# Altium PCB PCB.PcbDoc (part 2 of 4) (continued)
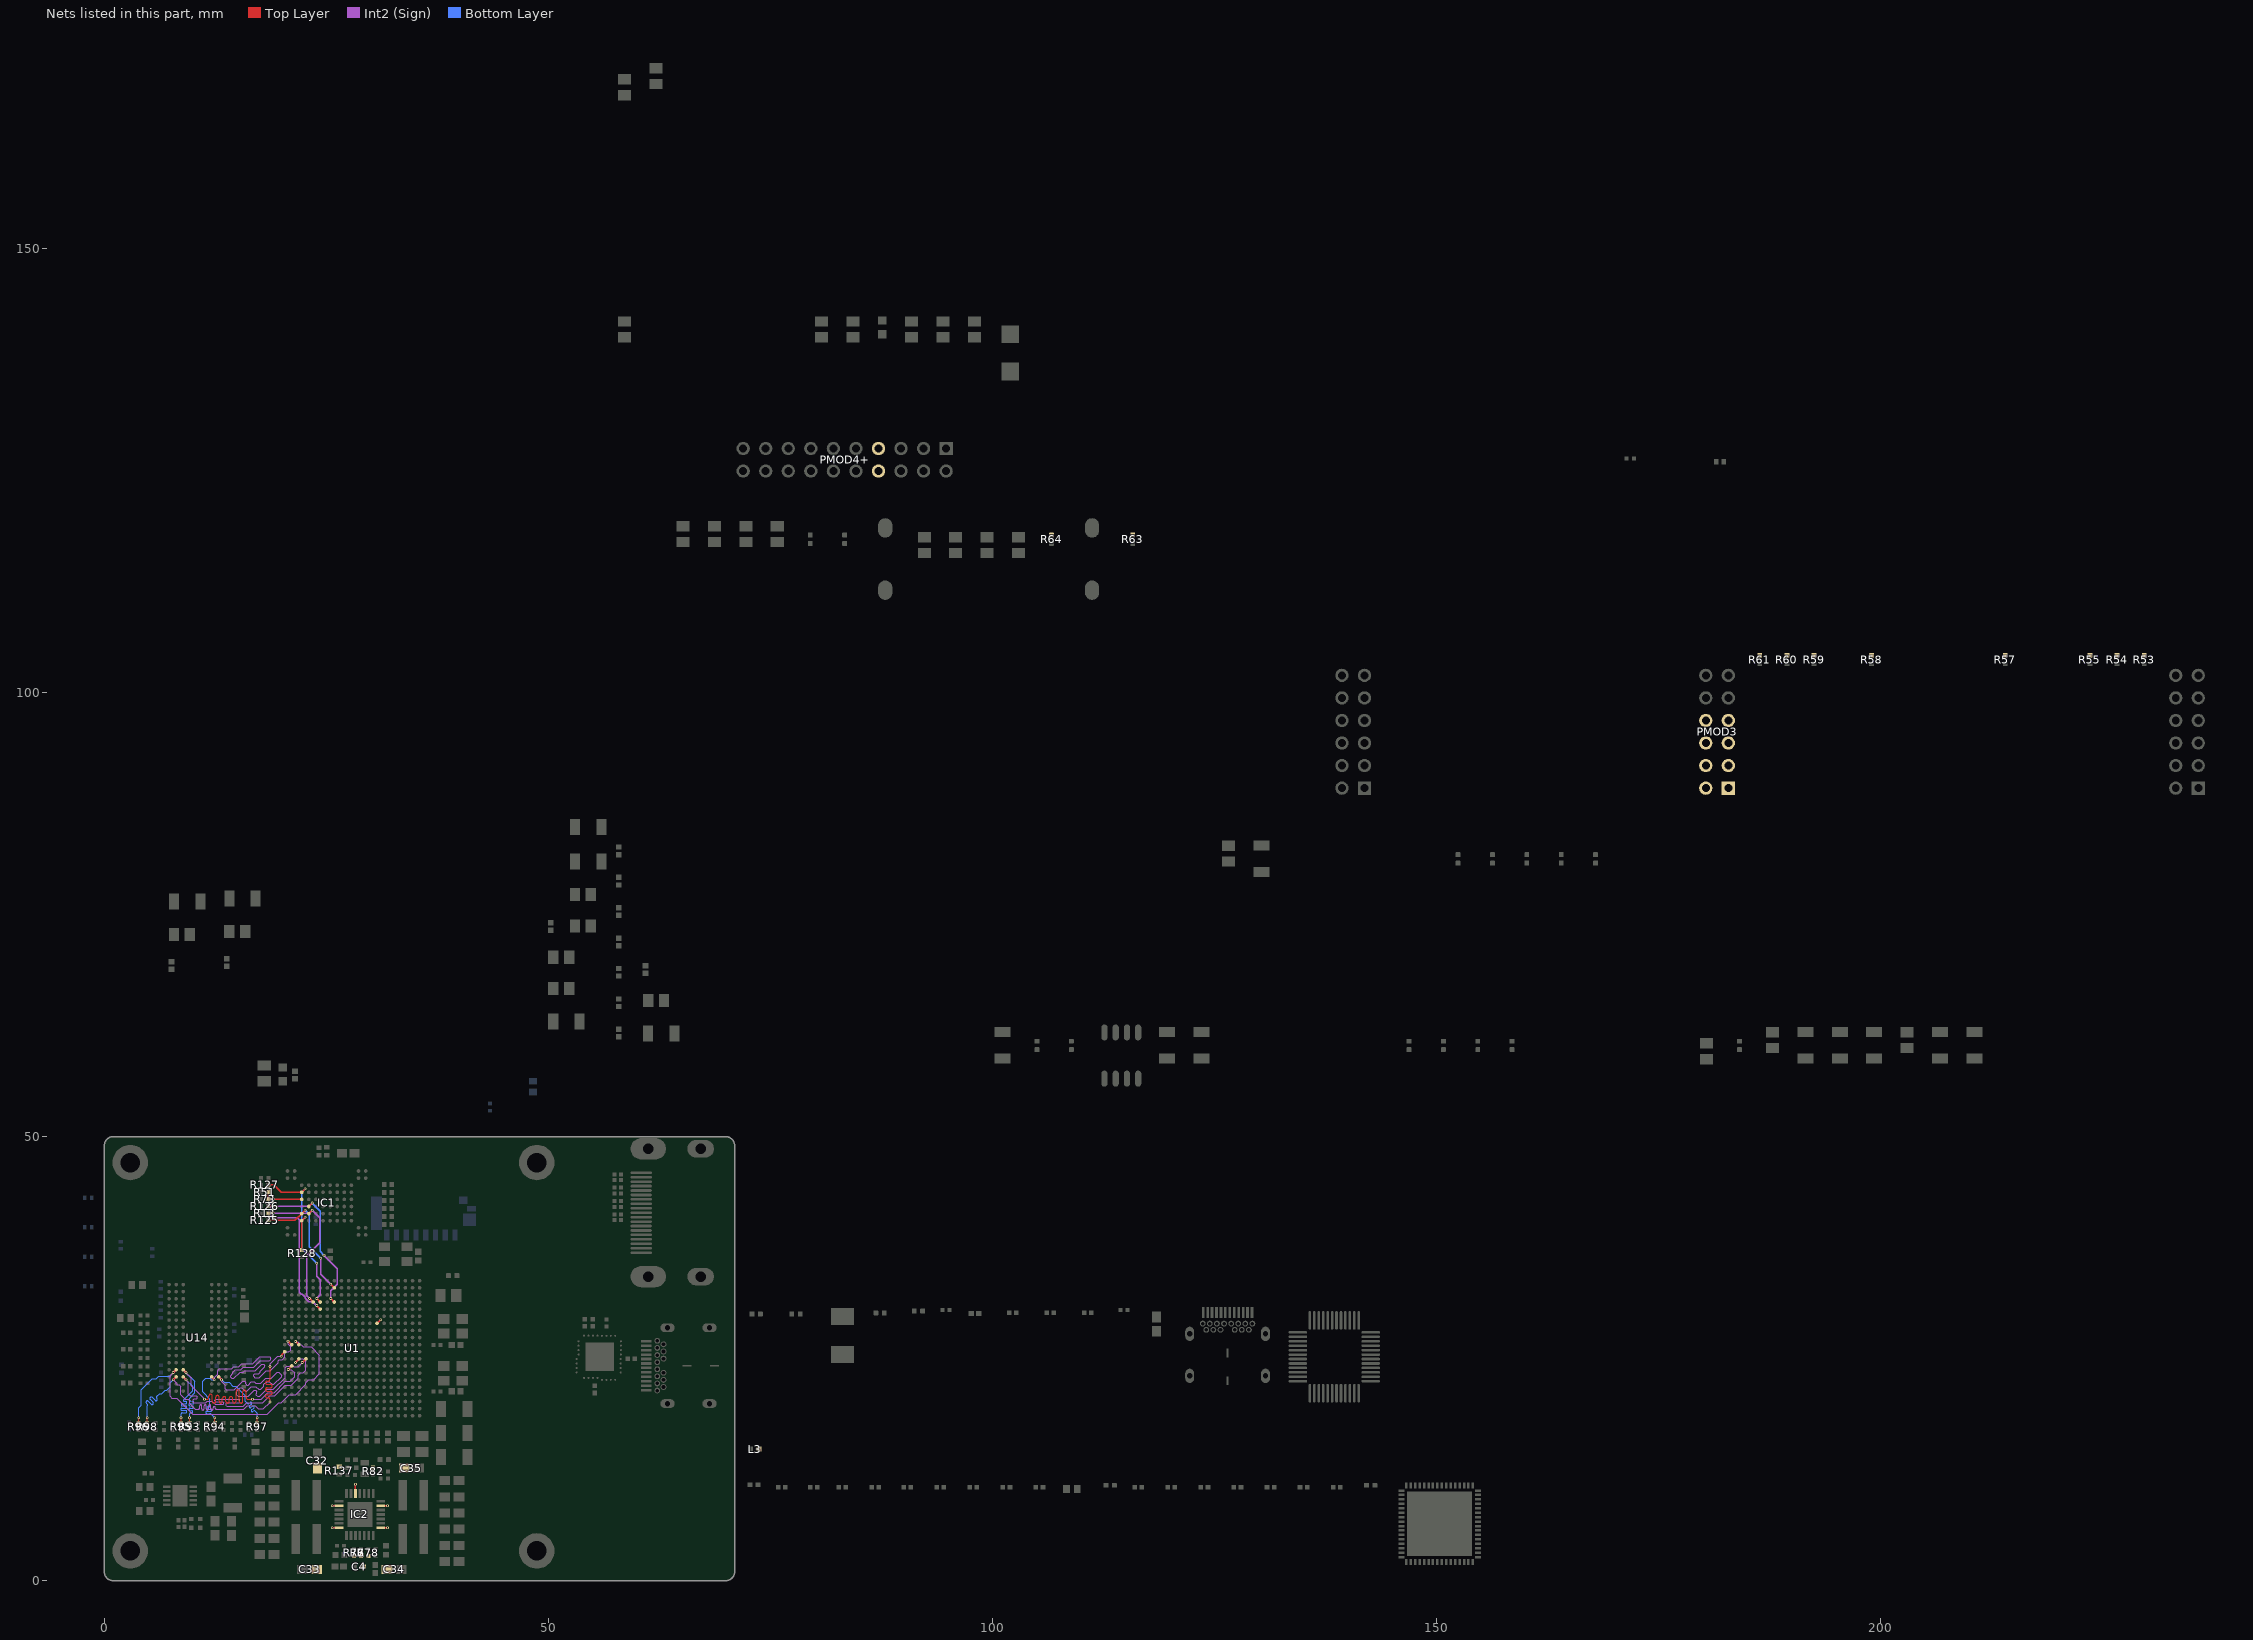
[diagram p6: the nets of this part, all layers, seen from the top]
## Part data (continued)
R21 R24 R25 R26 R32: library part Res_22R_1/8W_100V_0402, "Res Thick Film 0402 220m Ohm 1% 1/16W ±800ppm/°C Molded SMD Paper T/R", Case Code (Imperial)=0402, Case Code (Metric)=1005, Manufacturer 1=Yageo, Manufacturer Part Number 1=RL0402FR-070R22L, Max Operating Temperature=125°C, Max Power Dissipation=63mW, Min Operating Temperature=-55°C, Package Quantity=10000, Resistance Tolerance=1%, Resistor Type="Thick Film", Supplier Part Number 1=603-RC0402FR-0722RL, Temperature Coefficient=800ppm/°C, Voltage Rating=100V, Case/Package=0402, Category="Chip SMD Resistors", Component Type=Generic, ComponentLink1Description=https://datasheet.ciiva.com/6168/486242-6168460.pdf?src-supplier=Farnell, ComponentLink1URL=https://datasheet.ciiva.com/6168/486242-6168460.pdf?src-supplier=Farnell, ComponentLink2Description=https://datasheet.ciiva.com/7850/486242-7850267.pdf?src-supplier=Element14, ComponentLink2URL=https://datasheet.ciiva.com/7850/486242-7850267.pdf?src-supplier=Element14, Construction=Rectangular, Depth=0.5mm, Features="Moisture Resistant,Automotive AEC-Q200", Height=0.35mm, Lead Free="Lead Free", Length=1mm, Military Standard=Not, Number of Pins=2, Number of Terminations=2, Packaging="Tape and Reel", Part Number=RL0402FR-070R22L, Power Rating=63mW, Pricing 1="1=0.42000, 10=0.30400, 100=0.12160, 1000=0.05990, 2500=0.05549, 5000=0.05021 (USD)", Pricing 2="1=0.42000, 10=0.30400, 50=0.30400, 100=0.12200, 1000=0.05500, 10000=0.05000 (USD)", REACH SVHC="No SVHC", Resistance=22R, RoHS=Yes, RoHS Compliant=Yes, Series=RL, Size Code=0402, Stock 1=10003, Stock 2=9955, Supplier 1=Mouser, Supplier 2=Digi-Key, Supplier 3=Farnell, Supplier Part Number 2=311-22.0LRCT-ND, Supplier Part Number 3=9239030, Technology="THICK FILM", Termination=SMD/SMT, Tolerance=1%, Voltage Rating (DC)=100V, Weight=2.3E-05oz, Width=0.5mm
R30 R31 R91: library part "1206 10KΩ (1002) 1%", "贴片电阻", Package=1206, SuppliersPartNumber=C17902, ComponentLink1Description=供应商链接, ComponentLink1URL=http://www.szlcsc.com/product/details_18590.html, Supplier=LC
R35 R36 R39 R41 R43 R44 R45 R46: library part CMP-1010-00042-1, "47R 0.05W 5% 0201 (0603 Metric)  SMD", Case Code (Imperial)=0201, Case Code (Metric)=0603, Manufacturer=Yageo, Manufacturer Part Number=RC0201JR-0747RL, Max Operating Temperature=125°C, Max Power Dissipation=50mW, Min Operating Temperature=-55°C, Power="0.05 W", Resistance Tolerance=5%, Resistor Type="Thick Film", Supplier Part Number 1=5338678, Temperature Coefficient=200ppm/°C, Tolerance="5 %", Voltage Rating=25V, Case-EIA=0201, Case-Metric=0603, Case/Package=0201, Category="Chip SMD Resistors", ComponentLink1Description=https://datasheet.ciiva.com/7672/1563626-7672293.pdf?src-supplier=Element14, ComponentLink1URL=https://datasheet.ciiva.com/7672/1563626-7672293.pdf?src-supplier=Element14, ComponentLink2Description=https://datasheet.ciiva.com/7672/1563626-7672294.pdf?src-supplier=Element14, ComponentLink2URL=https://datasheet.ciiva.com/7672/1563626-7672294.pdf?src-supplier=Element14, ComponentLink3Description=https://datasheet.ciiva.com/2522/pyu-r-int-thick-7-2522699.pdf?src-supplier=Digi-Key, ComponentLink3URL=https://datasheet.ciiva.com/2522/pyu-r-int-thick-7-2522699.pdf?src-supplier=Digi-Key, ComponentLink4Description=https://datasheet.ciiva.com/2522/pyu-r-int-thick-7-2522700.pdf?src-supplier=Digi-Key, ComponentLink4URL=https://datasheet.ciiva.com/2522/pyu-r-int-thick-7-2522700.pdf?src-supplier=Digi-Key, ComponentLink5Description=https://datasheet.ciiva.com/2522/pyu-r-int-thick-7-2522698.pdf?src-supplier=Digi-Key, ComponentLink5URL=https://datasheet.ciiva.com/2522/pyu-r-int-thick-7-2522698.pdf?src-supplier=Digi-Key, ComponentLink6Description=https://datasheet.ciiva.com/8889/pyu-rc0201-51-rohs-l-8-8889021.pdf?src-supplier=Avnet, ComponentLink6URL=https://datasheet.ciiva.com/8889/pyu-rc0201-51-rohs-l-8-8889021.pdf?src-supplier=Avnet, Contact Plating=Tin,Matte, Features="Moisture Resistant", Height=0.23mm, Lead Free="Lead Free", Length=0.6mm, Number of Terminations=2, Packaging="Cut Tape", Power Rating=50mW, Pricing 1="10000=0.0011, 50000=0.0011, 250000=0.001, 1000000=0.0009, 2500000=0.0009 (USD)", Reach SVHC Compliant=No, RoHS=Yes, RoHS Compliant=Yes, Series=RC, Stock 1=200000, Supplier 1="Future Electronics", Technology=SMT, Termination=SMD/SMT, Voltage Rating (DC)=25V, Weight=6E-06oz, Width=0.3mm
R48 R71 R72 R129 R131 R132 R134: library part CMP-2002-07501-1, Case Code (Imperial)=0402, Case Code (Metric)=1005, Manufacturer="Yageo / Phycomp", Max Operating Temperature=155°C, Max Power Dissipation=63mW, Min Operating Temperature=-55°C, Package Quantity=1, Power Rating=62.5mW, Resistance Tolerance=1%, Resistor Type="Thick Film", Supplier Part Number 1=4649547, Temperature Coefficient=100ppm/°C, Voltage Rating=50V, Case/Package=0402, Category="Chip SMD Resistors", ComponentLink1Description=https://datasheet.ciiva.com/11808/0900766b80c66297-11808454.pdf?src-supplier=Rs, ComponentLink1URL=https://datasheet.ciiva.com/11808/0900766b80c66297-11808454.pdf?src-supplier=Rs, ComponentLink2Description=https://datasheet.ciiva.com/7983/1018594-7983511.pdf?src-supplier=Element14, ComponentLink2URL=https://datasheet.ciiva.com/7983/1018594-7983511.pdf?src-supplier=Element14, ComponentLink3Description=https://datasheet.ciiva.com/46394/1018594-46394974.pdf?src-supplier=Element14, ComponentLink3URL=https://datasheet.ciiva.com/46394/1018594-46394974.pdf?src-supplier=Element14, ComponentLink4Description=https://datasheet.ciiva.com/2453/pyu-r-int-thick-7-2453494.pdf?src-supplier=Digi-Key, ComponentLink4URL=https://datasheet.ciiva.com/2453/pyu-r-int-thick-7-2453494.pdf?src-supplier=Digi-Key, ComponentLink5Description=https://datasheet.ciiva.com/2453/pyu-r-int-thick-7-2453495.pdf?src-supplier=Digi-Key, ComponentLink5URL=https://datasheet.ciiva.com/2453/pyu-r-int-thick-7-2453495.pdf?src-supplier=Digi-Key, ComponentLink6Description=https://datasheet.ciiva.com/2453/pyu-r-int-thick-7-2453493.pdf?src-supplier=Digi-Key, ComponentLink6URL=https://datasheet.ciiva.com/2453/pyu-r-int-thick-7-2453493.pdf?src-supplier=Digi-Key, ComponentLink7Description=https://datasheet.ciiva.com/12558/pyu-rc0402-51-rohs-l-6-r-8721-12558796.pdf?src-supplier=Mouser, ComponentLink7URL=https://datasheet.ciiva.com/12558/pyu-rc0402-51-rohs-l-6-r-8721-12558796.pdf?src-supplier=Mouser, Construction=Rectangular, Depth=0.5mm, Features="Moisture Resistant", Height=0.016inch, Lead Free="Lead Free", Length=1mm, Manufacturer Part Number=RC0402FR-0720KL, Military Standard=Not, Number of Terminations=2, Packaging="Tape and Reel", Part Number=RC0402FR-0720KL, Pins=2, Pricing 1="10000=0.001, 50000=0.001, 300000=0.0009, 1000000=0.0009, 3000000=0.0008 (USD)", Reach SVHC Compliant=No, RoHS=Yes, RoHS Compliant=Yes, Series=RC, Stock 1=18500000, Supplier 1="Future Electronics", Technology="THICK FILM", Termination=SMD/SMT, Tolerance=1%, Voltage Rating (DC)=50V, Width=0.02inch
R50 R123 R137: library part CMP-1011-00001-2, Case Code (Imperial)=0402, Case Code (Metric)=1005, Manufacturer="Yageo / Phycomp", Max Operating Temperature=155°C, Max Power Dissipation=63mW, Min Operating Temperature=-55°C, Package Quantity=1, Power Rating=62.5mW, Resistance Tolerance=5%, Resistor Type="Thick Film", Supplier Part Number 1=3375797, Temperature Coefficient=200ppm/°C, Voltage Rating=50V, Case/Package=0402, Category="Chip SMD Resistors", ComponentLink1Description=https://datasheet.ciiva.com/11808/0900766b80c66297-11808195.pdf?src-supplier=Rs, ComponentLink1URL=https://datasheet.ciiva.com/11808/0900766b80c66297-11808195.pdf?src-supplier=Rs, ComponentLink2Description=https://datasheet.ciiva.com/2452/pyu-rc0402-51-rohs-l-6-2452608.pdf?src-supplier=Digi-Key, ComponentLink2URL=https://datasheet.ciiva.com/2452/pyu-rc0402-51-rohs-l-6-2452608.pdf?src-supplier=Digi-Key, ComponentLink3Description=https://datasheet.ciiva.com/7983/1018594-7983535.pdf?src-supplier=Element14, ComponentLink3URL=https://datasheet.ciiva.com/7983/1018594-7983535.pdf?src-supplier=Element14, ComponentLink4Description=https://datasheet.ciiva.com/22747/1018594-22747515.pdf?src-supplier=Element14, ComponentLink4URL=https://datasheet.ciiva.com/22747/1018594-22747515.pdf?src-supplier=Element14, ComponentLink5Description=https://datasheet.ciiva.com/2452/pyu-r-int-thick-7-2452609.pdf?src-supplier=Digi-Key, ComponentLink5URL=https://datasheet.ciiva.com/2452/pyu-r-int-thick-7-2452609.pdf?src-supplier=Digi-Key, ComponentLink6Description=https://datasheet.ciiva.com/2452/pyu-r-int-thick-7-2452610.pdf?src-supplier=Digi-Key, ComponentLink6URL=https://datasheet.ciiva.com/2452/pyu-r-int-thick-7-2452610.pdf?src-supplier=Digi-Key, ComponentLink7Description=https://datasheet.ciiva.com/8896/pyu-rc0402-51-rohs-l-6-8896201.pdf?src-supplier=Avnet, ComponentLink7URL=https://datasheet.ciiva.com/8896/pyu-rc0402-51-rohs-l-6-8896201.pdf?src-supplier=Avnet, Construction=Rectangular, Contact Plating=Tin,Matte, Depth=0.5mm, Features="Moisture Resistant", Height=0.016inch, Lead Free="Lead Free", Length=1mm, Manufacturer Part Number=RC0402JR-070RL, Military Standard=Not, Number of Terminations=2, Packaging="Tape and Reel", Part Number=RC0402JR-070RL, Pricing 1="10000=0.0009, 50000=0.0008, 100000=0.0008, 300000=0.0008, 400000=0.0008, 1000000=0.0008, 1250000=0.0008, 3000000=0.0007, 4000000=0.0007 (USD)", Reach SVHC Compliant=Unknown, RoHS=Yes, RoHS Compliant=Yes, Series=RC, Stock 1=22430000, Supplier 1="Future Electronics", Technology="THICK FILM", Termination=SMD/SMT, Tolerance=5%, Width=0.02inch
R53 R54 R55 R57 R58 R59 R60 R61: library part Res_0R_0402, "0402, 0R", Manufacturer 1=Vishay, Manufacturer Part Number 1=CRCW04020000Z0EDC, Operating Temperature="-55°C ~ 125°C", Package="0402 (1005 Metric)", Supplier Part Number 1=71-CRCW04020000Z0EDC, Temperature Coefficient="0 PPM / C", Voltage=50V, Applications="Commercial Grade", Component Type=Generic, Mounting Type=SMT, Part Number=CRCW04020000Z0EDC, Resistance="0 Ohms", Supplier 1=Mouser, Supplier 2=DigiKey, Supplier 3=Farnell, Supplier Part Number 2=541-4062-1-ND
R75: library part CMP-1659-00056-1, "Chip Resistor, 1 MOhm, +/- 1%, 100 mW, -55 to 155 degC, 0603 (1608 Metric), RoHS, Tape and Reel", Capacitance="1 mF", Case Code (Imperial)=0603, Case Code (Metric)=1608, Case\Package=Radial, Manufacturer=Yageo, Max Operating Temperature="85 degC", Min Operating Temperature="-40 degC", Package Quantity=200, Power Rating=100mW, Supplier Part Number 1=2912863, Temperature Coefficient=100ppm/°C, Tolerance=20%, Voltage Rating="25 V", Application(s)="HIGH RELIABILITY", Category="Chip SMD Resistors", ComponentLink1Description="Manufacturer URL", ComponentLink1URL=http://www.yageo.com/, ComponentLink2Description=Datasheet, ComponentLink2URL=http://www.yageo.com/documents/recent/PYu-RC_Group_51_RoHS_L_04.pdf, ComponentLink3Description=https://datasheet.ciiva.com/11819/0900766b80f96399-11819295.pdf?src-supplier=Rs, ComponentLink3URL=https://datasheet.ciiva.com/11819/0900766b80f96399-11819295.pdf?src-supplier=Rs, ComponentLink4Description=https://datasheet.ciiva.com/12555/rc0603-272842-12555388.pdf?src-supplier=Mouser, ComponentLink4URL=https://datasheet.ciiva.com/12555/rc0603-272842-12555388.pdf?src-supplier=Mouser, ComponentLink5Description=https://datasheet.ciiva.com/7983/443971-7983614.pdf?src-supplier=Element14, ComponentLink5URL=https://datasheet.ciiva.com/7983/443971-7983614.pdf?src-supplier=Element14, DatasheetVersion="Rev. 4, 02/2016", Diameter="10 mm", Height="20 mm", Lead Free="Lead Free", Lead Pitch="5 mm", Length="20 mm", Manufacturer Part Number=RC0603FR-071ML, Mount="Through Hole", PackageDescription="2-Pin Surface Mount Device, Body 1.6 x 0.8 mm", PackageReference=0603, Packaging=Bulk, Pricing 1="5000=0.0015, 50000=0.0014, 200000=0.0014, 625000=0.0013, 2000000=0.0012 (USD)", Radiation Hardening=No, REACH SVHC="No SVHC", RoHS=Yes, RoHS Compliant=Yes, RoHSCompliant=true, Series=RC, Stock 1=12050000, Supplier 1="Future Electronics", Technology="THICK FILM", Termination=SMD/SMT, Type="General Purpose", Voltage Rating (DC)="25 V", Weight=0.000847oz, Width="0 inch"
R76 R77 R78 R82 R121 R122: library part CMP-2002-07353-1, "10K 0402 1% 1/16W +-100PPM", Case Code (Imperial)=0402, Case Code (Metric)=1005, Manufacturer="Yageo / Phycomp", Max Operating Temperature=155°C, Max Power Dissipation=63mW, Min Operating Temperature=-55°C, Power Rating=62.5mW, Resistance Tolerance=1%, Resistor Type="Thick Film", Supplier Part Number 1=7468275, Temperature Coefficient=100ppm/°C, Voltage Rating=50V, Case/Package=0402, Category="Chip SMD Resistors", ComponentLink1Description=https://datasheet.ciiva.com/7660/38568-7660787.pdf?src-supplier=Element14, ComponentLink1URL=https://datasheet.ciiva.com/7660/38568-7660787.pdf?src-supplier=Element14, ComponentLink2Description=https://datasheet.ciiva.com/7849/1686128-7849814.pdf?src-supplier=Element14, ComponentLink2URL=https://datasheet.ciiva.com/7849/1686128-7849814.pdf?src-supplier=Element14, ComponentLink3Description=https://datasheet.ciiva.com/7983/1018594-7983486.pdf?src-supplier=Element14, ComponentLink3URL=https://datasheet.ciiva.com/7983/1018594-7983486.pdf?src-supplier=Element14, ComponentLink4Description=https://datasheet.ciiva.com/22747/1018594-22747512.pdf?src-supplier=Element14, ComponentLink4URL=https://datasheet.ciiva.com/22747/1018594-22747512.pdf?src-supplier=Element14, Construction=Rectangular, Depth=0.5mm, Features="Moisture Resistant", Lead Free="Lead Free", Lead Pitch=0.2mm, Length=1mm, Manufacturer Part Number=RC0402FR-0710KL, Military Standard=Not, Number of Terminations=2, Packaging="Tape and Reel", Part Number=RC0402FR-0710KL, Pins=2, Pricing 1="1=0.1, 20=0.0679, 150=0.0464, 1000=0.0261, 5000=0.0089 (USD)", Reach SVHC Compliant=Unknown, RoHS=Yes, RoHS Compliant=Yes, Series=RC, Stock 1=2365, Supplier 1="Future Electronics", Termination=SMD/SMT, Tolerance=1%, Voltage Rating (DC)=50V, Width=0.5mm
  R76 R77 R78 R82: ComponentLink5Description=https://datasheet.ciiva.com/12667/pyu-rc0402-51-rohs-l-6-r-12667067.pdf?src-supplier=Mouser, ComponentLink5URL=https://datasheet.ciiva.com/12667/pyu-rc0402-51-rohs-l-6-r-12667067.pdf?src-supplier=Mouser, ComponentLink6Description=https://datasheet.ciiva.com/7849/1784430-7849813.pdf?src-supplier=Element14, ComponentLink6URL=https://datasheet.ciiva.com/7849/1784430-7849813.pdf?src-supplier=Element14, ComponentLink7Description=https://datasheet.ciiva.com/7849/1784430-7849815.pdf?src-supplier=Element14, ComponentLink7URL=https://datasheet.ciiva.com/7849/1784430-7849815.pdf?src-supplier=Element14
R79 R80 R81: library part "0805 1MΩ (1004) 1%", "贴片电阻", Package=0805, SuppliersPartNumber=C17514, ComponentLink1Description=供应商链接, ComponentLink1URL=http://www.szlcsc.com/product/details_18202.html, Supplier=LC
R83: library part CMP-1011-00002-2, Case Code (Imperial)=0402, Case Code (Metric)=1005, Manufacturer="Vishay Dale", Max Operating Temperature=155°C, Max Power Dissipation=63mW, Min Operating Temperature=-55°C, Package Quantity=10000, Ratings=AEC-Q200, Resistance Tolerance=5%, Resistor Type="Thick Film", Supplier Part Number 1=71-CRCW0402J-1.0-E3, Temperature Coefficient=200ppm/°C, Voltage Rating=50V, Case/Package=0402, Category="Chip SMD Resistors", ComponentLink1Description=https://datasheet.ciiva.com/2462/dcrcwe3-2462067.pdf?src-supplier=Digi-Key, ComponentLink1URL=https://datasheet.ciiva.com/2462/dcrcwe3-2462067.pdf?src-supplier=Digi-Key, ComponentLink2Description=https://datasheet.ciiva.com/2462/dcrcwe3-2462068.pdf?src-supplier=Digi-Key, ComponentLink2URL=https://datasheet.ciiva.com/2462/dcrcwe3-2462068.pdf?src-supplier=Digi-Key, ComponentLink3Description=https://datasheet.ciiva.com/2462/dcrcwe3-2462069.pdf?src-supplier=Digi-Key, ComponentLink3URL=https://datasheet.ciiva.com/2462/dcrcwe3-2462069.pdf?src-supplier=Digi-Key, ComponentLink4Description=https://datasheet.ciiva.com/7743/dcrcwe3-7743510.pdf?src-supplier=Element14, ComponentLink4URL=https://datasheet.ciiva.com/7743/dcrcwe3-7743510.pdf?src-supplier=Element14, ComponentLink5Description=https://datasheet.ciiva.com/3256/dcrcwe3-3256201.pdf?src-supplier=Avnet, ComponentLink5URL=https://datasheet.ciiva.com/3256/dcrcwe3-3256201.pdf?src-supplier=Avnet, ComponentLink6Description=https://datasheet.ciiva.com/3256/dcrcwe3-3256202.pdf?src-supplier=Avnet, ComponentLink6URL=https://datasheet.ciiva.com/3256/dcrcwe3-3256202.pdf?src-supplier=Avnet, ComponentLink7Description=https://datasheet.ciiva.com/16436/dcrcwe3-16436175.pdf?src-supplier=Future+Electronics, ComponentLink7URL=https://datasheet.ciiva.com/16436/dcrcwe3-16436175.pdf?src-supplier=Future+Electronics, Construction=Rectangular, Contact Plating=Tin, Depth=0.5mm, Features="Automotive AEC-Q200", Height=0.35mm, Lead Free="Lead Free", Length=1mm, Manufacturer Part Number=CRCW04021R00JNED, Military Standard=Not, Number of Terminations=2, Packaging="Tape and Reel", Part Number=CRCW04021R00JNED, Pins=2, Power Rating=63mW, Pricing 1="1=0.1, 10=0.035, 50=0.035, 100=0.015, 1000=0.007, 10000=0.004 (USD)", Radiation Hardening=No, Reach SVHC Compliant=Unknown, RoHS=Yes, RoHS Compliant=Yes, Series=CRCW, Stock 1=17590, Supplier 1=Mouser, Termination=SMD/SMT, Tolerance=5%, Voltage Rating (DC)=50V, Weight=2.3E-05oz, Width=0.5mm
R84 R124 R133 R136: library part CMP-2002-01049-1, Case Code (Imperial)=0402, Case Code (Metric)=1005, Manufacturer=Panasonic, Max Operating Temperature=155°C, Max Power Dissipation=100mW, Min Operating Temperature=-55°C, Package Quantity=10000, Ratings=AEC-Q200, Resistance Tolerance=1%, Resistor Type="Thick Film", Supplier Part Number 1=667-ERJ-2RKF7152X, Temperature Coefficient=100ppm/°C, Voltage Rating=50V, Case/Package=0402, Category="Chip SMD Resistors", ComponentLink1Description=https://datasheet.ciiva.com/7861/aoa0000ce2-7861997.pdf?src-supplier=Element14, ComponentLink1URL=https://datasheet.ciiva.com/7861/aoa0000ce2-7861997.pdf?src-supplier=Element14, ComponentLink2Description=https://datasheet.ciiva.com/43467/1678782-43467469.pdf?src-supplier=Farnell, ComponentLink2URL=https://datasheet.ciiva.com/43467/1678782-43467469.pdf?src-supplier=Farnell, ComponentLink3Description=https://datasheet.ciiva.com/46372/1678782-46372878.pdf?src-supplier=Element14, ComponentLink3URL=https://datasheet.ciiva.com/46372/1678782-46372878.pdf?src-supplier=Element14, ComponentLink4Description=https://datasheet.ciiva.com/22668/1678782-22668152.pdf?src-supplier=Element14, ComponentLink4URL=https://datasheet.ciiva.com/22668/1678782-22668152.pdf?src-supplier=Element14, ComponentLink5Description=https://datasheet.ciiva.com/28592/1694929-28592264.pdf?src-supplier=Element14, ComponentLink5URL=https://datasheet.ciiva.com/28592/1694929-28592264.pdf?src-supplier=Element14, ComponentLink6Description=https://datasheet.ciiva.com/46372/1678782-46372877.pdf?src-supplier=Element14, ComponentLink6URL=https://datasheet.ciiva.com/46372/1678782-46372877.pdf?src-supplier=Element14, ComponentLink7Description=https://datasheet.ciiva.com/24027/aoa0000ce2-24027461.pdf?src-supplier=Mouser, ComponentLink7URL=https://datasheet.ciiva.com/24027/aoa0000ce2-24027461.pdf?src-supplier=Mouser, ComponentLink8Description=https://datasheet.ciiva.com/16786/70260748-16786679.pdf?src-supplier=Allied+Electronics, ComponentLink8URL=https://datasheet.ciiva.com/16786/70260748-16786679.pdf?src-supplier=Allied+Electronics, ComponentLink9Description=https://datasheet.ciiva.com/16766/70260748-16766095.pdf?src-supplier=Allied+Electronics, ComponentLink9URL=https://datasheet.ciiva.com/16766/70260748-16766095.pdf?src-supplier=Allied+Electronics, Contact Plating=Tin, Features="Automotive AEC-Q200", Height=0.35mm, Lead Free="Contains Lead", Length=1mm, Manufacturer Part Number=ERJ-2RKF7152X, Mounting Technology="Surface Mount", Number of Terminations=2, Packaging="Tape and Reel", Part Number=ERJ-2RKF7152X, Power Rating=100mW, Pricing 1="1=0.1, 10=0.018, 50=0.018, 100=0.008, 1000=0.006, 10000=0.004 (USD)", Reach SVHC Compliant=No, RoHS=Yes, RoHS Compliant=Yes, Series=ERJ, Stock 1=243248, Supplier 1=Mouser, Termination=SMD/SMT, Tolerance=1%, Voltage Rating (DC)=50V, Width=0.5mm
R85: library part CMP-2002-08537-1, Case Code (Imperial)=0402, Case Code (Metric)=1005, Manufacturer="Vishay Dale", Max Operating Temperature=155°C, Max Power Dissipation=63mW, Min Operating Temperature=-55°C, Package Quantity=10000, Ratings=AEC-Q200, Resistance Tolerance=1%, Resistor Type="Thick Film", Supplier Part Number 1=71-CRCW0402-34K-E3, Temperature Coefficient=100ppm/°C, Voltage Rating=50V, Case/Package=0402, Category="Chip SMD Resistors", ComponentLink1Description=https://datasheet.ciiva.com/2463/dcrcwe3-2463776.pdf?src-supplier=Digi-Key, ComponentLink1URL=https://datasheet.ciiva.com/2463/dcrcwe3-2463776.pdf?src-supplier=Digi-Key, ComponentLink2Description=https://datasheet.ciiva.com/2463/dcrcwe3-2463777.pdf?src-supplier=Digi-Key, ComponentLink2URL=https://datasheet.ciiva.com/2463/dcrcwe3-2463777.pdf?src-supplier=Digi-Key, ComponentLink3Description=https://datasheet.ciiva.com/7743/125364-7743605.pdf?src-supplier=Element14, ComponentLink3URL=https://datasheet.ciiva.com/7743/125364-7743605.pdf?src-supplier=Element14, ComponentLink4Description=https://datasheet.ciiva.com/5545/dcrcwe3-109170-5545798.pdf?src-supplier=Mouser, ComponentLink4URL=https://datasheet.ciiva.com/5545/dcrcwe3-109170-5545798.pdf?src-supplier=Mouser, ComponentLink5Description=https://datasheet.ciiva.com/3256/dcrcwe3-3256427.pdf?src-supplier=Avnet, ComponentLink5URL=https://datasheet.ciiva.com/3256/dcrcwe3-3256427.pdf?src-supplier=Avnet, ComponentLink6Description=https://datasheet.ciiva.com/22705/1697337-22705819.pdf?src-supplier=Element14, ComponentLink6URL=https://datasheet.ciiva.com/22705/1697337-22705819.pdf?src-supplier=Element14, ComponentLink7Description=https://datasheet.ciiva.com/3256/dcrcwe3-3256428.pdf?src-supplier=Avnet, ComponentLink7URL=https://datasheet.ciiva.com/3256/dcrcwe3-3256428.pdf?src-supplier=Avnet, ComponentLink8Description=https://datasheet.ciiva.com/16759/70201119-16759964.pdf?src-supplier=Allied+Electronics, ComponentLink8URL=https://datasheet.ciiva.com/16759/70201119-16759964.pdf?src-supplier=Allied+Electronics, ComponentLink9Description=https://datasheet.ciiva.com/7671/1697337-7671582.pdf?src-supplier=Element14, ComponentLink9URL=https://datasheet.ciiva.com/7671/1697337-7671582.pdf?src-supplier=Element14, ComponentLink10Description=https://datasheet.ciiva.com/2463/dcrcwe3-2463775.pdf?src-supplier=Digi-Key, ComponentLink10URL=https://datasheet.ciiva.com/2463/dcrcwe3-2463775.pdf?src-supplier=Digi-Key, ComponentLink11Description=https://datasheet.ciiva.com/7671/1697337-7671583.pdf?src-supplier=Element14, ComponentLink11URL=https://datasheet.ciiva.com/7671/1697337-7671583.pdf?src-supplier=Element14, Contact Plating=Tin, Depth=0.5mm, Features="Automotive AEC-Q200", Height=0.35mm, Lead Free="Lead Free", Length=1mm, Manufacturer Part Number=CRCW040234K0FKED, Number of Terminations=2, Packaging="Tape and Reel", Part Number=CRCW040234K0FKED, Power Rating=63mW, Pricing 1="1=0.1, 10=0.042, 50=0.042, 100=0.017, 1000=0.008, 10000=0.005 (USD)", Radiation Hardening=No, Reach SVHC Compliant=Unknown, RoHS=Yes, RoHS Compliant=Yes, Series=CRCW, Stock 1=15014, Supplier 1=Mouser, Technology="THICK FILM", Termination=SMD/SMT, Tolerance=1%, Voltage Rating (DC)=50V, Weight=2.3E-05oz, Width=0.5mm
R86 R87 R88 R89 R90: library part Res_100K_1%_0402, "0402, 100k, 1%, 62.5mW, 50V", Manufacturer 1=Bourns, Manufacturer Part Number 1=CR0402-FX-1003GLF, Operating Temperature="-55°C ~ 125°C", Package="0402 (1005 Metric)", Supplier Part Number 1=652-CR0402FX-1003GLF, Temperature Coefficient="100 PPM / C", Tolerance=±1%, Voltage="50 V", Component Type=Generic, Mounting Type=SMT, Part Number=CR0402-FX-1003GLF, Resistance="100 kOhms", Supplier 1=Mouser, Supplier 2=DigiKey, Supplier 3=Farnell, Supplier Part Number 2=CR0402-FX-1003GLFCT-ND, Supplier Part Number 3=2787798
R92: library part "0805 47Ω (47R0) 1%", "贴片电阻", Package=0805, SuppliersPartNumber=C17714, ComponentLink1Description=供应商链接, ComponentLink1URL=http://www.szlcsc.com/product/details_18402.html, Supplier=LC
R93 R94 R95 R96 R97 R98 R99 R100 R101 R102 R103 R104 R105 R106 R107 R108 R109 R110 R111 R114 R115 R116 R117 R118: library part CMP-2002-01146-1, Case Code (Imperial)=0402, Case Code (Metric)=1005, Manufacturer=Panasonic, Manufacturer Part Number=ERJ-2RKF33R0X, Max Operating Temperature=155°C, Max Power Dissipation=100mW, Min Operating Temperature=-55°C, Package Quantity=1, Resistance Tolerance=1%, Resistor Type="Thick Film", Temperature Coefficient=100ppm/°C, Voltage Rating=50V, Case/Package=0402, Category="Chip SMD Resistors", ComponentLink1Description=https://datasheet.ciiva.com/11821/0900766b80f80784-11821292.pdf?src-supplier=Rs, ComponentLink1URL=https://datasheet.ciiva.com/11821/0900766b80f80784-11821292.pdf?src-supplier=Rs, ComponentLink2Description=https://datasheet.ciiva.com/5917/aoa0000ce2-5917817.pdf?src-supplier=Farnell, ComponentLink2URL=https://datasheet.ciiva.com/5917/aoa0000ce2-5917817.pdf?src-supplier=Farnell, ComponentLink3Description=https://datasheet.ciiva.com/7836/aoa0000ce2-7836490.pdf?src-supplier=Element14, ComponentLink3URL=https://datasheet.ciiva.com/7836/aoa0000ce2-7836490.pdf?src-supplier=Element14, ComponentLink4Description=https://datasheet.ciiva.com/7836/426256-7836813.pdf?src-supplier=Element14, ComponentLink4URL=https://datasheet.ciiva.com/7836/426256-7836813.pdf?src-supplier=Element14, ComponentLink5Description=https://datasheet.ciiva.com/43467/1678782-43467173.pdf?src-supplier=Farnell, ComponentLink5URL=https://datasheet.ciiva.com/43467/1678782-43467173.pdf?src-supplier=Farnell, ComponentLink6Description=https://datasheet.ciiva.com/46373/1678782-46373081.pdf?src-supplier=Element14, ComponentLink6URL=https://datasheet.ciiva.com/46373/1678782-46373081.pdf?src-supplier=Element14, ComponentLink7Description=https://datasheet.ciiva.com/46373/1678782-46373082.pdf?src-supplier=Element14, ComponentLink7URL=https://datasheet.ciiva.com/46373/1678782-46373082.pdf?src-supplier=Element14, ComponentLink8Description=https://datasheet.ciiva.com/24023/aoa0000ce2-24023999.pdf?src-supplier=Mouser, ComponentLink8URL=https://datasheet.ciiva.com/24023/aoa0000ce2-24023999.pdf?src-supplier=Mouser, ComponentLink9Description=https://datasheet.ciiva.com/16777/70260748-16777705.pdf?src-supplier=Allied+Electronics, ComponentLink9URL=https://datasheet.ciiva.com/16777/70260748-16777705.pdf?src-supplier=Allied+Electronics, ComponentLink10Description=https://datasheet.ciiva.com/9190/aoa0000ce2-9190507.pdf?src-supplier=Avnet, ComponentLink10URL=https://datasheet.ciiva.com/9190/aoa0000ce2-9190507.pdf?src-supplier=Avnet, Construction=Rectangular, Contact Plating=Tin, Depth=0.5mm, Features="Automotive AEC-Q200", Height=0.35mm, Lead Free="Lead Free", Length=1mm, Military Standard=Not, Mounting Technology="Surface Mount", Number of Terminations=2, Packaging="Tape and Reel", Part Number=ERJ2RKF33R0X, Pins=2, Power Rating=100mW, Pricing 1="10000=0.0039, 30000=0.0035, 50000=0.0032, 100000=0.0031 (USD)", Reach SVHC Compliant=No, RoHS=Yes, RoHS Compliant=Yes, Series=ERJ, Stock 1=1080000, Supplier 1="Arrow Electronics", Supplier Part Number 1=ERJ-2RKF33R0X, Technology="THICK FILM", Termination=SMD/SMT, Tolerance=1%, Voltage Rating (DC)=50V, Width=0.5mm
R113: library part CMP-2002-08397-1, Case Code (Imperial)=0402, Case Code (Metric)=1005, Manufacturer="Vishay Dale", Max Operating Temperature=155°C, Max Power Dissipation=63mW, Min Operating Temperature=-55°C, Package Quantity=10000, Ratings=AEC-Q200, Resistance Tolerance=1%, Resistor Type="Thick Film", Supplier Part Number 1=71-CRCW0402240RFKED, Temperature Coefficient=100ppm/°C, Voltage Rating=50V, Case/Package=0402, Category="Chip SMD Resistors", Construction=Rectangular, Contact Plating=Tin, Depth=0.5mm, Features="Automotive AEC-Q200", Height=0.35mm, Lead Free="Lead Free", Length=1mm, Manufacturer Part Number=CRCW0402240RFKED, Military Standard=Not, Number of Terminations=2, Packaging="Tape and Reel", Part Number=CRCW0402240RFKED, Power Rating=63mW, Pricing 1="1=0.1, 10=0.042, 50=0.042, 100=0.017, 1000=0.008, 10000=0.005 (USD)", Radiation Hardening=No, Reach SVHC Compliant=Unknown, RoHS=Yes, RoHS Compliant=Yes, Series=CRCW, Stock 1=4771, Supplier 1=Mouser, Technology="THICK FILM", Termination=SMD/SMT, Tolerance=1%, Voltage Rating (DC)=50V, Weight=2.3E-05oz, Width=0.5mm, Working Voltage=50V
R119: library part CMP-2002-00238-1, Case Code (Imperial)=0402, Case Code (Metric)=1005, Manufacturer="Vishay Dale", Max Operating Temperature=155°C, Max Power Dissipation=63mW, Min Operating Temperature=-55°C, Resistance Tolerance=1%, Resistor Type="Thick Film", Supplier Part Number 1=71-CRCW040282R0FKED, Temperature Coefficient=100ppm/°C, Voltage Rating=50V, Case/Package=0402, Category="Chip SMD Resistors", ComponentLink1Description=https://datasheet.ciiva.com/11810/0900766b80d98824-11810936.pdf?src-supplier=Rs, ComponentLink1URL=https://datasheet.ciiva.com/11810/0900766b80d98824-11810936.pdf?src-supplier=Rs, ComponentLink2Description=https://datasheet.ciiva.com/22704/1697337-22704439.pdf?src-supplier=Element14, ComponentLink2URL=https://datasheet.ciiva.com/22704/1697337-22704439.pdf?src-supplier=Element14, ComponentLink3Description=https://datasheet.ciiva.com/22683/1912744-22683290.pdf?src-supplier=Element14, ComponentLink3URL=https://datasheet.ciiva.com/22683/1912744-22683290.pdf?src-supplier=Element14, ComponentLink4Description=https://datasheet.ciiva.com/22869/70201119-22869946.pdf?src-supplier=Allied+Electronics, ComponentLink4URL=https://datasheet.ciiva.com/22869/70201119-22869946.pdf?src-supplier=Allied+Electronics, ComponentLink5Description=https://datasheet.ciiva.com/3256/dcrcwe3-3256845.pdf?src-supplier=Avnet, ComponentLink5URL=https://datasheet.ciiva.com/3256/dcrcwe3-3256845.pdf?src-supplier=Avnet, ComponentLink6Description=https://datasheet.ciiva.com/3256/dcrcwe3-3256846.pdf?src-supplier=Avnet, ComponentLink6URL=https://datasheet.ciiva.com/3256/dcrcwe3-3256846.pdf?src-supplier=Avnet, ComponentLink7Description=https://datasheet.ciiva.com/5542/dcrcwe3-109170-5542175.pdf?src-supplier=Mouser, ComponentLink7URL=https://datasheet.ciiva.com/5542/dcrcwe3-109170-5542175.pdf?src-supplier=Mouser, ComponentLink8Description=https://datasheet.ciiva.com/7672/1697337-7672847.pdf?src-supplier=Element14, ComponentLink8URL=https://datasheet.ciiva.com/7672/1697337-7672847.pdf?src-supplier=Element14, Contact Plating=Tin, Depth=0.5mm, Features="Automotive AEC-Q200", Height=0.35mm, Lead Free="Lead Free", Length=1mm, Manufacturer Part Number=CRCW040282R0FKED, Number of Terminations=2, Packaging="Tape and Reel", Part Number=CRCW040282R0FKED, Pins=2, Power Rating=63mW, Pricing 1="1=0.1, 10=0.042, 50=0.042, 100=0.017, 1000=0.008, 10000=0.005 (USD)", Radiation Hardening=No, Reach SVHC Compliant=Unknown, RoHS=Yes, RoHS Compliant=Yes, Series=CRCW, Stock 1=11599, Supplier 1=Mouser, Technology="THICK FILM", Termination=SMD/SMT, Tolerance=1%, Voltage Rating (DC)=50V, Weight=2.3E-05oz, Width=0.5mm